# Altium PCB bqCNC.PcbDoc (part 5 of 6) (continued)
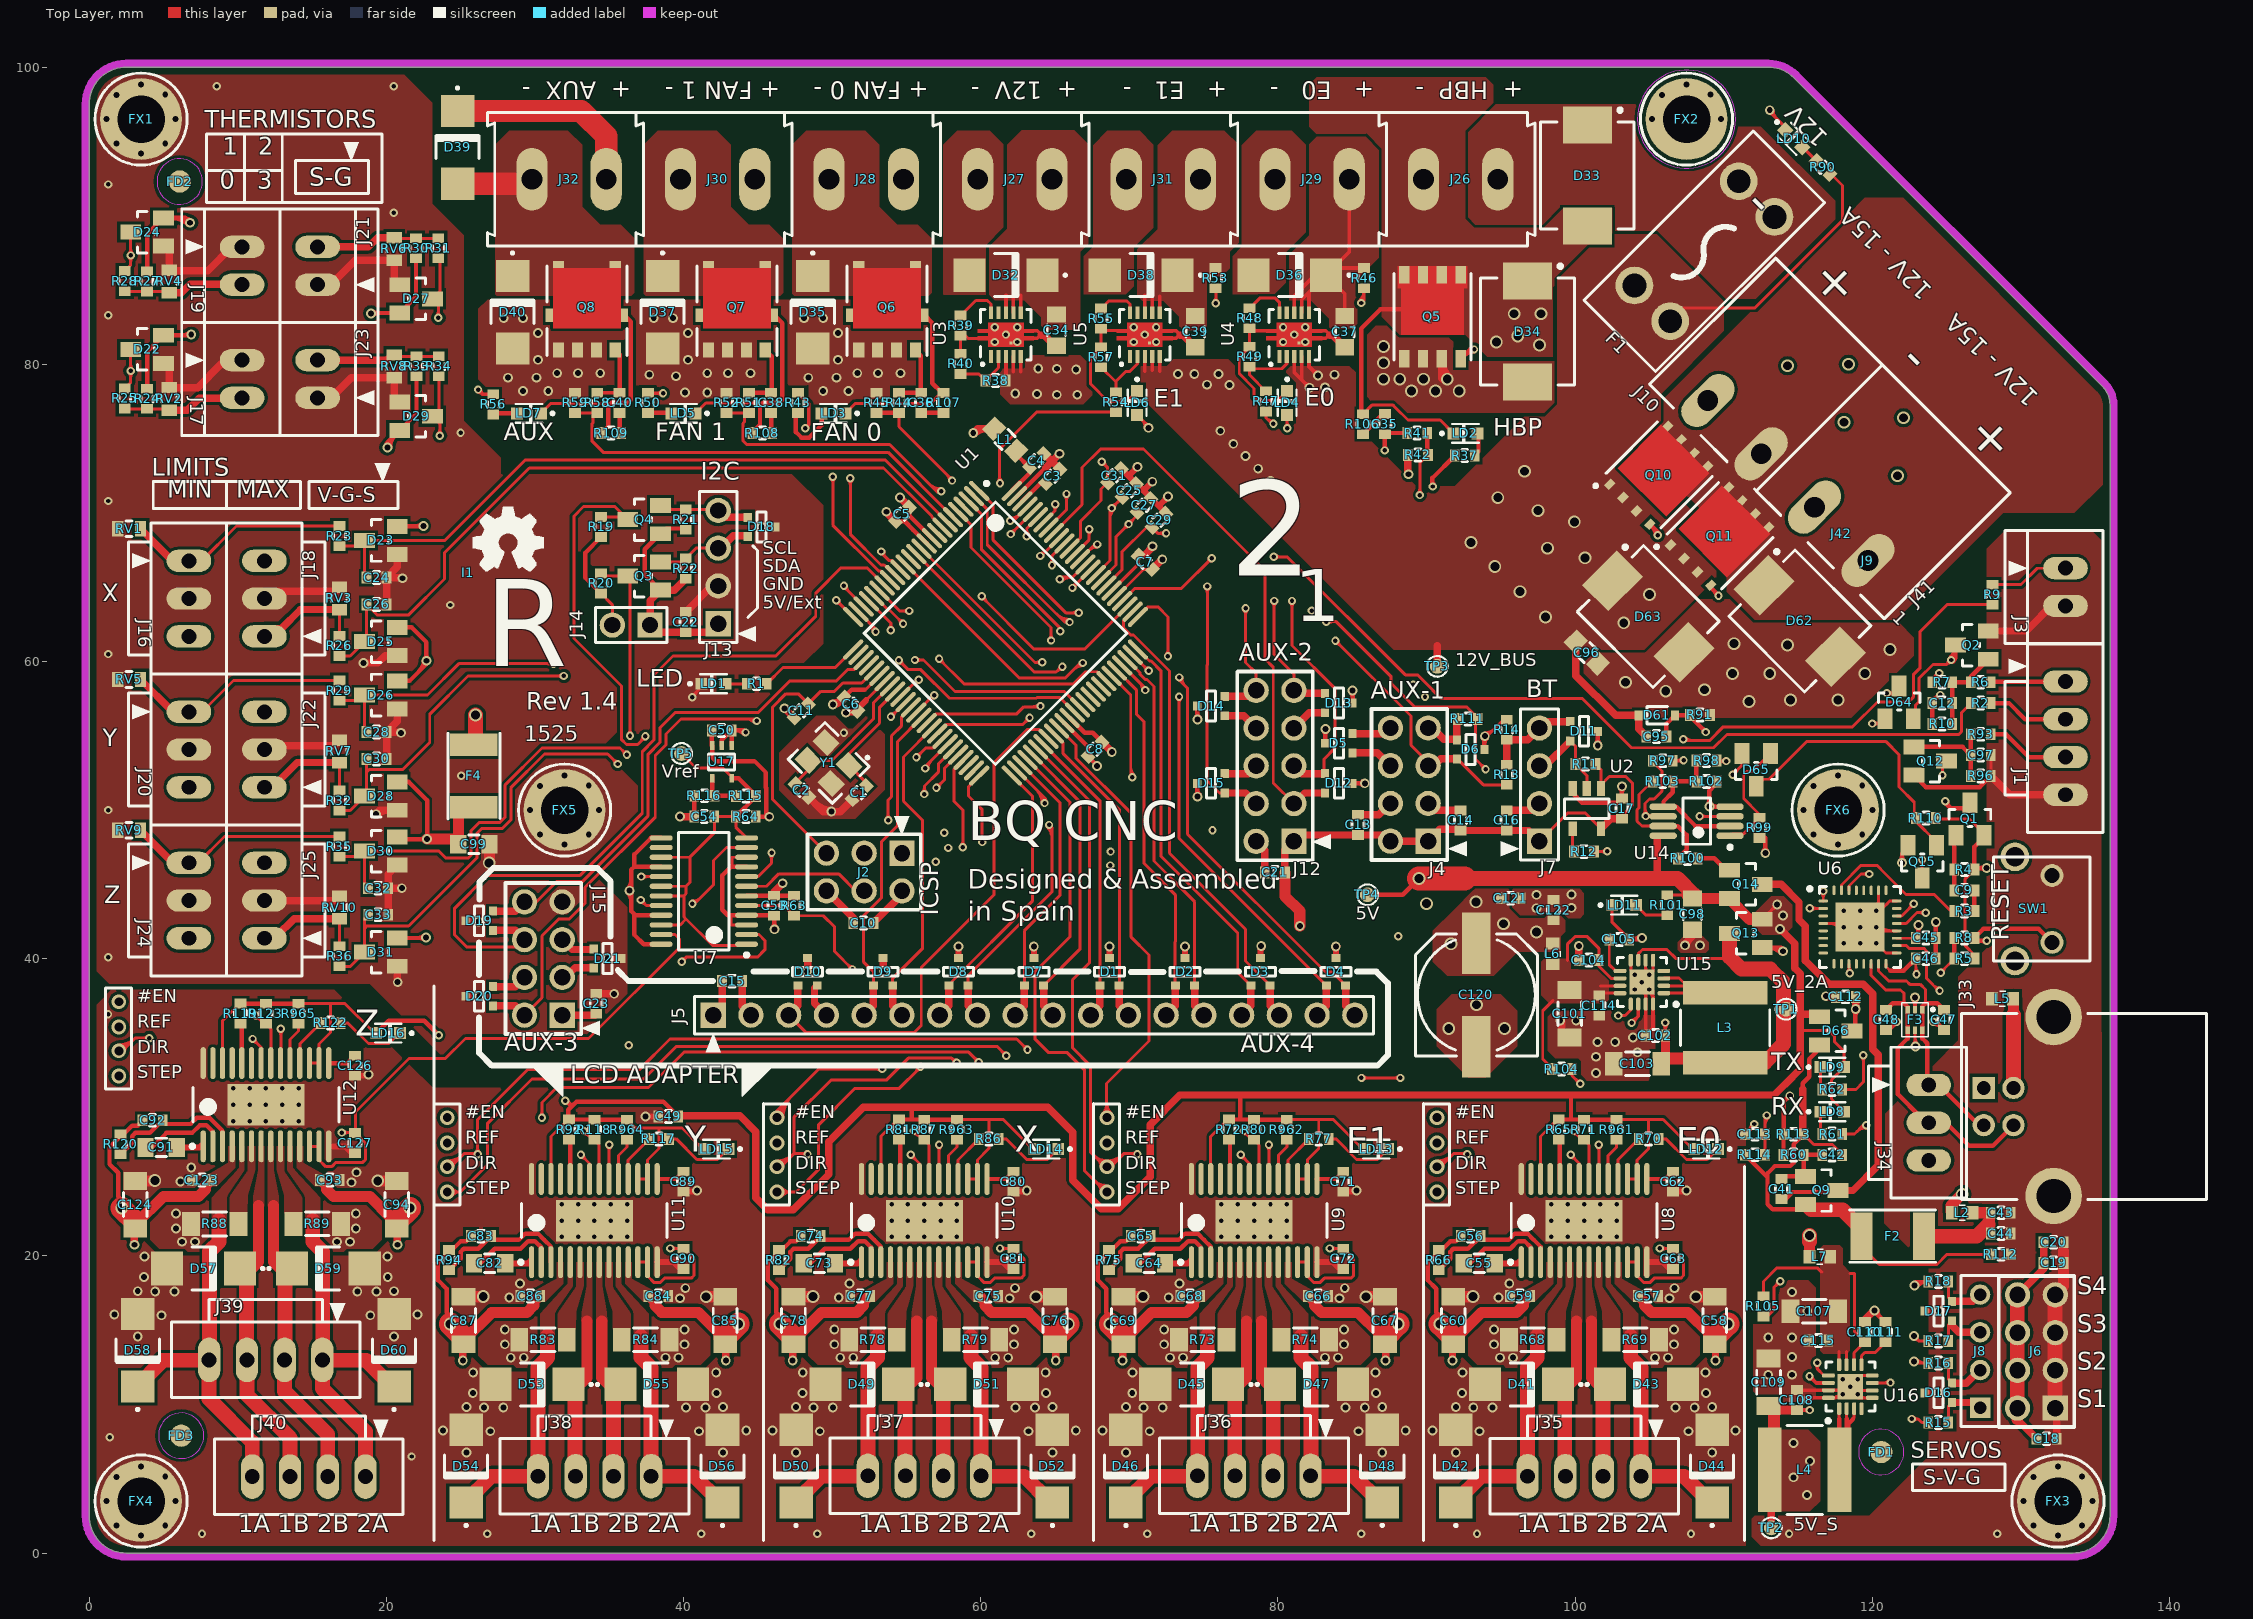
[diagram p0: Top Layer view]
## Polygon pours and split planes (outlines as drawn) (continued)
NetD46_K on Top Layer "Top Layer-No Net 9" (solid, remove dead copper, pour order 182): 76.95,19.575 76.6,19.575 76.6,18.125 74.75,16.1 74.75,14.575 75.75,14.575 75.75,16.1 75.825,16.325 76.95,17.95
NetD48_K on Top Layer "Top Layer-No Net 6" (solid, remove dead copper, pour order 183): 79.85,19.575 80.2,19.575 80.2,18.125 82.05,16.1 82.05,14.575 81.05,14.575 81.05,16.1 80.975,16.325 79.85,17.95
NetD44_K on Top Layer "Top Layer-No Net 6" (solid, remove dead copper, pour order 184): 102.05,19.575 102.4,19.575 102.4,18.125 104.25,16.1 104.25,14.575 103.25,14.575 103.25,16.1 103.175,16.325 102.05,17.95
NetD42_K on Top Layer "Top Layer-NetD42_K" (solid, remove dead copper, pour order 185): 99.15,19.575 98.8,19.575 98.8,18.125 96.95,16.1 96.95,14.575 97.95,14.575 97.95,16.1 98.025,16.325 99.15,17.95
NetR83_2 on Top Layer "Top Layer-No Net 13" (solid, remove dead copper, pour order 186): 31.55,15.075 31.55,16.275 32.775,17.925 32.775,19.575 33.275,19.575 33.275,18 32.95,16.85 32.775,16.275 32.75,15.075
NetR88_2 on Top Layer "Top Layer-No Net 13" (solid, remove dead copper, pour order 187): 9.45,22.875 9.45,24.075 10.675,25.725 10.675,27.375 11.175,27.375 11.175,25.8 10.85,24.65 10.675,24.075 10.65,22.875
NetR84_2 on Top Layer "Top Layer-No Net 4" (solid, remove dead copper, pour order 188): 36.45,15.075 36.45,16.275 35.225,17.925 35.225,19.575 34.725,19.575 34.725,18 35.05,16.85 35.225,16.275 35.25,15.075
NetR89_2 on Top Layer "Top Layer-No Net 4" (solid, remove dead copper, pour order 189): 14.35,22.875 14.35,24.075 13.125,25.725 13.125,27.375 12.625,27.375 12.625,25.8 12.95,24.65 13.125,24.075 13.15,22.875
NetR78_2 on Top Layer "Top Layer-No Net 10" (solid, remove dead copper, pour order 190): 53.75,15.075 53.75,16.275 54.975,17.925 54.975,19.575 55.475,19.575 55.475,18 55.15,16.85 54.975,16.275 54.95,15.075
NetR79_2 on Top Layer "Top Layer-No Net 4" (solid, remove dead copper, pour order 191): 58.65,15.075 58.65,16.275 57.425,17.925 57.425,19.575 56.925,19.575 56.925,18 57.25,16.85 57.425,16.275 57.45,15.075
NetR73_2 on Top Layer "Top Layer-No Net 7" (solid, remove dead copper, pour order 192): 75.95,15.075 75.95,16.275 77.175,17.925 77.175,19.575 77.675,19.575 77.675,18 77.35,16.85 77.175,16.275 77.15,15.075
NetR74_2 on Top Layer "Top Layer-No Net 4" (solid, remove dead copper, pour order 193): 80.85,15.075 80.85,16.275 79.625,17.925 79.625,19.575 79.125,19.575 79.125,18 79.45,16.85 79.625,16.275 79.65,15.075
NetR69_2 on Top Layer "Top Layer-No Net 4" (solid, remove dead copper, pour order 194): 103.05,15.075 103.05,16.275 101.825,17.925 101.825,19.575 101.325,19.575 101.325,18 101.65,16.85 101.825,16.275 101.85,15.075
NetR68_2 on Top Layer "Top Layer-NetR68_2" (solid, remove dead copper, pour order 195): 98.15,15.075 98.15,16.275 99.375,17.925 99.375,19.575 99.875,19.575 99.875,18 99.55,16.85 99.375,16.275 99.35,15.075
NetD53_K on Top Layer "Top Layer-No Net 14" (solid, remove dead copper, pour order 196): 33.132,15.525 33.15,16.2 33.475,17.95 33.475,19.575 33.875,19.575 33.875,15.525
NetD57_K on Top Layer "Top Layer-No Net 14" (solid, remove dead copper, pour order 197): 11.032,23.325 11.05,24 11.375,25.75 11.375,27.375 11.775,27.375 11.775,23.325
NetD55_K on Top Layer "Top Layer-No Net 5" (solid, remove dead copper, pour order 198): 34.868,15.525 34.85,16.2 34.525,17.95 34.525,19.575 34.125,19.575 34.125,15.525
NetD59_K on Top Layer "Top Layer-No Net 5" (solid, remove dead copper, pour order 199): 12.768,23.325 12.75,24 12.425,25.75 12.425,27.375 12.025,27.375 12.025,23.325
NetD49_K on Top Layer "Top Layer-No Net 11" (solid, remove dead copper, pour order 200): 55.332,15.525 55.35,16.2 55.675,17.95 55.675,19.575 56.075,19.575 56.075,15.525
NetD51_K on Top Layer "Top Layer-No Net 5" (solid, remove dead copper, pour order 201): 57.068,15.525 57.05,16.2 56.725,17.95 56.725,19.575 56.325,19.575 56.325,15.525
NetD45_K on Top Layer "Top Layer-No Net 8" (solid, remove dead copper, pour order 202): 77.532,15.525 77.55,16.2 77.875,17.95 77.875,19.575 78.275,19.575 78.275,15.525
NetD47_K on Top Layer "Top Layer-No Net 5" (solid, remove dead copper, pour order 203): 79.268,15.525 79.25,16.2 78.925,17.95 78.925,19.575 78.525,19.575 78.525,15.525
NetD43_K on Top Layer "Top Layer-No Net 5" (solid, remove dead copper, pour order 204): 101.468,15.525 101.45,16.2 101.125,17.95 101.125,19.575 100.725,19.575 100.725,15.525
NetD41_K on Top Layer "Top Layer-NetD41_K" (solid, remove dead copper, pour order 205): 99.732,15.525 99.75,16.2 100.075,17.95 100.075,19.575 100.475,19.575 100.475,15.525
NetD62_K on Top Layer "PWR input" (solid, remove dead copper, pour order 208): 104.2,74.353 105.8,75.953 105.8,77.5 106.1,77.8 119.5,91.2 122.2,91.2 135.5,77.9 135.5,71.9 133.6,70 128.8,70 121.6,62.8 112.1,62.8 110.2,64.7 110.2,68.6
12V_BUS on Top Layer "Top Layer- 12V_BUS_b" (solid, remove dead copper, pour order 209): 91.925,71.8 98.65,65.075 98.65,60.8 87.8,60.8 70.775,77.825 70.775,79.875 72.525,79.875 72.975,80.325 76.675,80.325 78.625,78.375 78.625,76.325 81.2,76.325 81.2,78.8 80.5,79.5 80.875,79.875 84.8,79.875 84.85,79.825 85.225,79.45 85.225,75.875 89.3,71.8
GND on Top Layer "Input TVSs" (solid, remove dead copper, pour order 210): 100.6,59.9 101.4,60.7 104.8,60.7 108.3,64.2 110.4,64.2 112,62.6 121.8,62.6 122.8,61.6 122.8,60.4 118.6,56.2 103.6,56.2 100.6,59.2
GND on Top Layer "Top Layer-GND 3" (solid, remove dead copper, pour order 211): 79.775,84.725 80.525,85.475 80.525,87.525 81.875,88.875 81.875,94.775 80.925,95.725 78.55,95.725 77.575,94.75 77.575,87.9 76.95,87.275 76.95,84.725
GND on Top Layer "Top Layer-GND 3" (solid, remove dead copper, pour order 212): 60.325,84.675 60.325,88.025 61.525,89.225 61.525,94.8 60.6,95.725 58.425,95.725 57.475,94.775 57.475,84.7 57.5,84.675
GND on Top Layer "Top Layer-GND 3" (solid, remove dead copper, pour order 213): 69.775,84.725 70.3,85.25 70.3,87.875 71.625,89.2 71.625,94.775 70.7,95.7 68.525,95.7 67.575,94.75 67.575,87.9 66.95,87.275 66.95,84.725
NetC37_2 on Top Layer "Top Layer-No Net" (solid, remove dead copper, pour order 214): 82.2,84.3 83.45,83.05 83.45,82.39 84.999,82.399 85.325,82.725 85.325,85.7 86.8,87.175 86.8,94.4 85.9,95.3 82.6,95.3 82.1,94.8 82.1,88.7 80.775,87.375 80.775,84.325 80.8,84.3
NetD33_A on Top Layer "Top Layer-No Net" (solid, remove dead copper, pour order 215): 87,94.5 87,83.2 88.2,82 92.6,82 94.1,80.5 98.5,80.5 98.5,85.2 101.3,88 102.5,88 102.5,90.5 99.2,90.5 97.9,89.2 93.2,89.2 92.6,89.8 92.6,95.7 94.5,97.6 94.5,98.8 94,99.3 82.6,99.3 82.1,98.8 82.1,96 82.6,95.5 86,95.5
NetC39_2 on Top Layer "Top Layer-No Net" (solid, remove dead copper, pour order 216): 70.55,87.75 70.55,84.6 70.875,84.275 72.3,84.275 73.375,83.2 73.375,82.575 73.65,82.3 74.925,82.3 75.2,82.575 75.2,85.65 75.475,85.925 76.2,85.925 76.75,86.475 76.75,87.575 77.35,88.175 77.35,94.775 76.4,95.725 72.875,95.725 71.9,94.75 71.9,89.1 70.675,87.875
FANS_RAIL on Top Layer "Top Layer-No Net" (solid, remove dead copper, pour order 217): 60.575,87.9 60.575,84.675 60.95,84.3 62.925,84.3 64.075,83.15 64.075,82.6 64.35,82.325 66.425,82.325 66.7,82.6 66.7,87.575 67.25,88.125 67.25,94.8 66.3,95.75 62.775,95.75 61.8,94.775 61.8,89.125
GND on Top Layer "Top Layer-No Net" (solid, remove dead copper, pour order 220): 86.6,82.6 87.4,82.6 88.2,81.8 91.5,81.8 91.8,81.5 91.8,80.2 98.6,80.2 98.6,77.42 97.917,76.725 87.075,76.725 86,77.8 86,82
NetD35_K on Top Layer "Top Layer-NetC36_2 1" (solid, remove dead copper, pour order 221): 47.45,84.6 56.5,84.6 56.7,84.8 56.7,88.475 56.675,88.475 55.775,89.375 54.4,89.375 53.175,90.6 53.175,94.775 52.225,95.725 48.275,95.725 47.325,94.775 47.325,84.75
NetD37_K on Top Layer "Top Layer-No Net 2" (solid, remove dead copper, pour order 222): 37.45,84.6 46.5,84.6 46.7,84.8 46.7,88.475 46.675,88.475 45.775,89.375 44.4,89.375 43.175,90.6 43.175,94.775 42.225,95.725 38.275,95.725 37.325,94.775 37.325,84.75
NetD39_A on Top Layer "Top Layer-No Net 3" (solid, remove dead copper, pour order 223): 27.325,84.725 27.45,84.6 36.5,84.6 36.7,84.8 36.7,88.475 36.675,88.475 35.775,89.375 34.4,89.375 33.175,90.6 33.175,94.775 32.225,95.725 28.275,95.725 27.325,94.775
NetD33_K on Top Layer "Top Layer-No Net" (solid, remove dead copper, pour order 224): 112.5,96 117.5,91 117.5,89.75 112.15,84.4 110.1,84.4 105.5,89 101.5,89 99.9,90.6 99.2,90.6 97.9,89.3 93.3,89.3 92.7,89.9 92.7,95.6 94.6,97.5 104.4,97.5 105.9,96
12V_BUS on Top Layer "Top Layer-NetC36_2" (solid, remove dead copper, pour order 227): 61.3,78 62,77.3 66.9,77.3 67.5,77.9 67.5,79.8 67,80.3 66.7,80.6 63.4,80.6 63,80.2 63,79.9 63,79.8 62.9,79.7 61.3,79.7
GND on Top Layer "Top Layer-GND" (solid, remove dead copper, pour order 228): 98.575,36.5 98.175,36.1 98.175,33.8 98.675,33.3 100.2,33.3 100.4,33.1 100.4,32.2 100.8,31.8 105.4,31.8 105.4,36.2 104.6,36.2 104.25,36.5
GND on Top Layer "Top Layer-GND" (solid, remove dead copper, pour order 229): 107.3,41.5 106.9,41.1 106.9,40.6 107.1,40.4 108.8,40.4 109,40.6 109,41.1 108.6,41.5
NetC107_2 on Top Layer "Top Layer-12V_BUS" (solid, remove dead copper, pour order 230): 116.5,13.6 116.7,13.4 118.3,13.4 118.5,13.6 118.5,18.9 118,19.4 118,20.5 117.8,20.7 116.7,20.7 116.5,20.5
GND on Top Layer "Top Layer-GND 4" (solid, remove dead copper, pour order 231): 26.2,83.725 26.825,84.35 57.2,84.35 57.85,83.7 57.85,78.975 57.514,78.6 53.875,78.6 53.875,77.275 48.425,77.275 48.425,78.575 43.8,78.575 43.8,77.3 38.2,77.3 38.2,78.575 33.6,78.575 33.6,77.325 27.9,77.3 26.2,79
GND on Top Layer "Top Layer-GND 1" (solid, remove dead copper, pour order 232): 113.7,18.2 113.875,18.375 115.675,18.375 116.2,17.85 116.2,10.5 115.8,10.1 112.8,10.1 112,10.9 112,15.5 112.3,15.8 113.2,15.8 113.7,16.3
5V_S on Top Layer "Top Layer-5V_S" (solid, remove dead copper, pour order 234): 113.7,8.3 115.7,8.3 116.4,7.6 116.5,7.5 116.5,3.6 116.5,3.5 115.8,2.8 113.7,2.8
5V on Top Layer "Top Layer-5V" (solid, remove dead copper, pour order 235): 112.1,43.1 113.2,44.2 114.2,44.2 114.6,43.8 114.6,42.1 114.1,41.6 112.6,41.6 112.1,42.1
GND on Top Layer "Top Layer-GND 2" (solid, remove dead copper, pour order 236): 51.4,55.475 52.288,56.362 52.85,55.8 53.55,55.1 53.55,51.375 51.575,49.4 48.375,49.4 46.45,51.325 46.45,53.85 48.95,56.35 50.225,56.35 51.1,55.475
GND on Top Layer "SCR_GND_Top_1" (solid, remove dead copper, pour order 240): 0.507,99.5 21.2,99.5 23.1,97.6 23.1,90.8 25.2,88.7 25.2,76.2 27.7,73.7 27.7,72.6 47.3,72.6 49.4,70.5 49.4,61.2 42.68,54.5 37.1,54.5 35.937,55.662 34.425,54.15 37.925,50.625 33.5,46.15 36.2,43.45 36.2,31.8 25.4,31.8 18.9,38.3 1.35,38.3 0.5,39.15
GND on Top Layer "SCR_GND_Top_7" (solid, remove dead copper, pour order 241): 127.7,67.6 129,68.9 134.675,68.9 135.425,68.15 135.433,0.914 135.019,0.5 112.5,0.5 111.9,1.1 111.9,2.3 112.1,2.5 119.8,2.5 123.8,6.5 123.8,19.2 120.8,22.2 120.8,29.5 125.8,34.5 125.8,38.8 127.7,40.7
GND on Top Layer "Stepper top GND" (solid, remove dead copper, pour order 246): 23.125,31.3 111.5,31.3 111.5,0.5 0.45,0.5 0.45,36.85 1.5,37.9 16.5,37.9
GND on Signal Layer 1 "HBP return" (solid, remove dead copper, pour order 163): 86.7,82.7 92,82.7 94.4,80.3 109,80.3 119,90.3 121.4,90.3 133.8,77.9 133.8,75.7 123.3,65.2 123.3,60.5 118.9,56.1 105,56.1 89.5,71.6 85.6,75.5 85.6,81.7
NetD33_A on Signal Layer 1 "HBP" (solid, remove dead copper, pour order 165): 87,95.1 87.7,95.8 92.2,95.8 92.4,95.6 92.4,89.7 95.2,86.9 97.9,86.9 98.9,85.9 98.9,81.1 98.3,80.5 94.5,80.5 94.1,80.9 91.6,83.4 87.8,83.4 87,84.2
NetD33_K on Signal Layer 1 "Top Layer-No Net" (solid, remove dead copper, pour order 225): 92.7,95.7 94.5,97.5 103.4,97.5 104.9,96 112.5,96 117.5,91 117.5,89.8 112.1,84.4 110,84.4 107,87.4 95.2,87.4 92.7,89.9
GND on Signal Layer 1 "SCR_GND_Signal" (solid, remove dead copper, pour order 238): 0,100 84.3,100.1 86.2,98.2 86.2,85.3 84.2,83.3 84.2,74.2 102.9,55.5 118.8,55.5 123.7,60.4 123.7,65.1 134,75.4 136.2,73.2 136.2,0 0,0
NetD33_A on Power Layer "HBP" (solid, remove dead copper, pour order 206): 87,95.1 87.7,95.8 92.2,95.8 92.4,95.6 92.4,89.7 95.2,86.9 97.9,86.9 98.9,85.9 98.9,81.1 98.3,80.5 94.5,80.5 94.1,80.9 91.6,83.4 87.8,83.4 87,84.2
5V on Power Layer "MCU Power" (solid, remove dead copper, pour order 207): 74.875,56.6 74.875,69.65 68.45,76.075 56.775,76.075 44.8,64.1 44.825,64.075 44.825,52.65 48.175,49.3 67.575,49.3
12V_BUS on Power Layer "Top Layer-No Net" (solid, remove dead copper, pour order 218): 67.45,86.8 100.1,86.8 101.7,88.4 106,88.4 113.325,81.075 113.325,76.6 105.2,68.475 105.2,67.6 106.7,66.1 106.7,62.3 108.2,60.8 108.2,45.9 100.5,38.2 100.5,35.5 98.6,33.6 96.723,33.6 94.7,31.6 90,31.6 86.2,35.4 86.2,38.2 90.8,42.8 90.8,46.7 90.8,52.7 90.8,62.5 85,68.3 81.5,68.3 73.2,76.6 62.7,76.6 61.55,77.75 61.55,80.9
FANS_RAIL on Power Layer "Power Layer-FANS_RAIL" (solid, remove dead copper, pour order 219): 67.9,94.45 67.9,96.825 66.8,97.925 33.025,97.925 32.025,96.925 32.025,89.45 37.225,84.25 66.525,84.25 67.95,85.675
NetD33_K on Power Layer "Top Layer-No Net" (solid, remove dead copper, pour order 226): 92.7,95.7 94.5,97.5 108.4,97.5 109.9,96 112.5,96 117.5,91 117.5,89.8 112.1,84.4 110,84.4 105.8,88.6 101.5,88.6 100.3,87.4 93.5,87.4 92.7,88.2
5V_S on Power Layer "Top Layer-No Net 1" (solid, remove dead copper, pour order 233): 113.8,8.3 115.8,8.3 118.6,5.5 115.9,2.8 113.8,2.8
GND on Power Layer "SCR_GND_Power" (solid, remove dead copper, pour order 237): 0,100 21.215,100 23,98.3 23,90.9 25.2,88.7 25.2,76.9 26.1,76 26.1,74.7 25.606,38.1 0,38.1
GND on Power Layer "SCR_GND_Pwr_3" (solid, remove dead copper, pour order 242): 113.7,74.9 108.4,69.6 108.4,59.5 111.9,56 118.6,56 136,73.4 136,78.1 121.5,92.6 119.4,92.6 113.7,86.9
GND on Power Layer "SCR_GND_Pwr_4" (solid, remove dead copper, pour order 243): 130.5,66.6 134.9,71 136.6,71 136.6,1.4 134.8,-0.4 112.1,-0.4 112.1,0.5 111.5,1.1 111.5,2.5 116.7,7.7 129,7.7 130.5,9.2
12V_BUS on Power Layer "Stepper PWR BUS" (solid, remove dead copper, pour order 244): 17.7,37.3 21.5,37.3 25.2,33.6 25.3,33.7 84.1,33.7 87.75,37.35 92.2,32.9 92.2,31.8 88.9,28.5 49.4,28.5 47.9,30 25,30
GND on Power Layer "SCR_GND_Pwr_2" (solid, remove dead copper, pour order 245): 0,37.3 20.4,37.3 21,36.7 25.9,31.8 109.3,31.7 110.9,30.1 110.9,1.1 109.8,0 109.7,0.1 0,0.1
GND on GND Layer "SCR_GND_Bottom" (solid, remove dead copper, pour order 239): 0,100 116,100 137.6,78.4 136.2,77 136.2,0 0,0

## Keep-outs
Top Layer:
  circle w0.01: c107.5,96.5 r3.3
Power Layer:
  lines w0.05: 105.204,95.801 ccw(c107.5,96.5) 109.822,95.894
Signal Layer 1:
  lines w0.05: 105.214,95.769 ccw(c107.5,96.5) 109.822,95.894
Keep-Out Layer:
  lines w0.5: -0.25,2.5 ccw(c2.5,2.5) 2.5,-0.25 133.5,-0.25 ccw(c133.5,2.5) 136.25,2.5 136.25,77.293 ccw(c134.293,77.293) 135.677,78.677 114.884,99.47 ccw(c113,97.586) 113,100.25 2.5,100.25 ccw(c2.5,97.5) -0.25,97.5 -0.25,2.5

## Other copper
Top Layer:
  pour cut-out: 92.8,13.3 93.425,12.675 95.15,12.675 95.35,12.475 96.2,12.475 96.2,12.225 93.375,12.225 92.3,13.3
  pour cut-out: 108.4,13.3 107.775,12.675 106.05,12.675 105.85,12.475 105,12.475 105,12.225 107.825,12.225 108.9,13.3
  pour cut-out: 86.2,13.3 85.575,12.675 83.85,12.675 83.65,12.475 82.8,12.475 82.8,12.225 85.625,12.225 86.7,13.3
  pour cut-out: 70.6,13.3 71.225,12.675 72.95,12.675 73.15,12.475 74,12.475 74,12.225 71.175,12.225 70.1,13.3
  pour cut-out: 64,13.3 63.375,12.675 61.65,12.675 61.45,12.475 60.6,12.475 60.6,12.225 63.425,12.225 64.5,13.3
  pour cut-out: 48.4,13.3 49.025,12.675 50.75,12.675 50.95,12.475 51.8,12.475 51.8,12.225 48.975,12.225 47.9,13.3
  pour cut-out: 41.8,13.3 41.175,12.675 39.45,12.675 39.25,12.475 38.4,12.475 38.4,12.225 41.225,12.225 42.3,13.3
  pour cut-out: 26.2,13.3 26.825,12.675 28.55,12.675 28.75,12.475 29.6,12.475 29.6,12.225 26.775,12.225 25.7,13.3
  pour cut-out: 19.7,21.1 19.075,20.475 17.35,20.475 17.15,20.275 16.3,20.275 16.3,20.025 19.125,20.025 20.2,21.1
  pour cut-out: 4.1,21.1 4.725,20.475 6.45,20.475 6.65,20.275 7.5,20.275 7.5,20.025 4.675,20.025 3.6,21.1
Power Layer:
  pour cut-out: 98.025,19.875 96.7,18.55 96.7,17.55 95.35,16.2 93.65,16.2 91.85,14.4 91.85,13.35 92.075,13.35 92.075,14.325 93.75,16 95.45,16 96.9,17.45 96.9,18.45 98.175,19.725
  pour cut-out: 100.5,9.35 100.5,17.6 100.7,17.6 100.7,9.35
  pour cut-out: 103.175,19.875 104.5,18.55 104.5,17.55 105.85,16.2 107.55,16.2 109.35,14.4 109.35,13.35 109.125,13.35 109.125,14.325 107.45,16 105.75,16 104.3,17.45 104.3,18.45 103.025,19.725
  pour cut-out: 80.975,19.875 82.3,18.55 82.3,17.55 83.65,16.2 85.35,16.2 87.15,14.4 87.15,13.35 86.925,13.35 86.925,14.325 85.25,16 83.55,16 82.1,17.45 82.1,18.45 80.825,19.725
  pour cut-out: 78.3,9.35 78.3,17.6 78.5,17.6 78.5,9.35
  pour cut-out: 75.825,19.875 74.5,18.55 74.5,17.55 73.15,16.2 71.45,16.2 69.65,14.4 69.65,13.35 69.875,13.35 69.875,14.325 71.55,16 73.25,16 74.7,17.45 74.7,18.45 75.975,19.725
  pour cut-out: 58.775,19.875 60.1,18.55 60.1,17.55 61.45,16.2 63.15,16.2 64.95,14.4 64.95,13.35 64.725,13.35 64.725,14.325 63.05,16 61.35,16 59.9,17.45 59.9,18.45 58.625,19.725
  pour cut-out: 56.1,9.35 56.1,17.6 56.3,17.6 56.3,9.35
  pour cut-out: 53.625,19.875 52.3,18.55 52.3,17.55 50.95,16.2 49.25,16.2 47.45,14.4 47.45,13.35 47.675,13.35 47.675,14.325 49.35,16 51.05,16 52.5,17.45 52.5,18.45 53.775,19.725
  pour cut-out: 36.575,19.875 37.9,18.55 37.9,17.55 39.25,16.2 40.95,16.2 42.75,14.4 42.75,13.35 42.525,13.35 42.525,14.325 40.85,16 39.15,16 37.7,17.45 37.7,18.45 36.425,19.725
  pour cut-out: 33.9,9.35 33.9,17.6 34.1,17.6 34.1,9.35
  pour cut-out: 31.425,19.875 30.1,18.55 30.1,17.55 28.75,16.2 27.05,16.2 25.25,14.4 25.25,13.35 25.475,13.35 25.475,14.325 27.15,16 28.85,16 30.3,17.45 30.3,18.45 31.575,19.725
  pour cut-out: 14.475,27.675 15.8,26.35 15.8,25.35 17.15,24 18.85,24 20.65,22.2 20.65,21.15 20.425,21.15 20.425,22.125 18.75,23.8 17.05,23.8 15.6,25.25 15.6,26.25 14.325,27.525
  pour cut-out: 11.8,17.15 11.8,25.4 12,25.4 12,17.15
  pour cut-out: 9.325,27.675 8,26.35 8,25.35 6.65,24 4.95,24 3.15,22.2 3.15,21.15 3.375,21.15 3.375,22.125 5.05,23.8 6.75,23.8 8.2,25.25 8.2,26.25 9.475,27.525
Signal Layer 1:
  pour cut-out: 53.4,59.8 53.4,59.1 53.5,59 53.5,59.8
  pour cut-out: 50.3,57.1 51.4,57.1 51.4,54.8 50.3,54.8
  pour cut-out: 96.45,44.7 105.3,44.7 105.3,41.8 106.9,40.2 106.9,32.6 104.9,30.6 100.275,30.6 96.45,34.425
  pour cut-out: 0.5,37.7 3.6,37.7 4.5,36.8 4.2,36.5 3.3,37.4 1,37.4 0.5,36.9
  pour cut-out: 24,36.275 23.7,36.075 25.7,34.075 38.6,34.075 38.6,34.375 25.9,34.375
  pour cut-out: 112.9,9.3 111,7.4 111,1.1 110.4,0.5 111.9,0.5 111.3,1.1 111.3,7.3 113.225,9.225
  pour cut-out: 111.4,10.8 113,9.2 122.8,9.2 122.8,12.2 122.4,12.6 121.075,12.6 111.4,22.275
  pour cut-out: 53.6,67 55.4,64.6 55.4,64.3 55.2,64.3 53.8,65.7
  pour cut-out: 65,76 65,74.9 65.7,74.9 65.7,76
  pour cut-out: 84,71 84,63.8 84.7,63.8 84.7,71
  pour cut-out: 65.2,34.9 81.5,34.9 81.5,34.4 65.2,34.4
  pour cut-out: 98.025,19.875 96.7,18.55 96.7,17.55 95.35,16.2 93.65,16.2 91.85,14.4 91.85,13.35 92.075,13.35 92.075,14.325 93.75,16 95.45,16 96.9,17.45 96.9,18.45 98.175,19.725
  pour cut-out: 103.175,19.875 104.5,18.55 104.5,17.55 105.85,16.2 107.55,16.2 109.35,14.4 109.35,13.35 109.125,13.35 109.125,14.325 107.45,16 105.75,16 104.3,17.45 104.3,18.45 103.025,19.725
  pour cut-out: 100.5,9.35 100.5,17.6 100.7,17.6 100.7,9.35
  pour cut-out: 80.975,19.875 82.3,18.55 82.3,17.55 83.65,16.2 85.35,16.2 87.15,14.4 87.15,13.35 86.925,13.35 86.925,14.325 85.25,16 83.55,16 82.1,17.45 82.1,18.45 80.825,19.725
  pour cut-out: 78.3,9.35 78.3,17.6 78.5,17.6 78.5,9.35
  pour cut-out: 75.825,19.875 74.5,18.55 74.5,17.55 73.15,16.2 71.45,16.2 69.65,14.4 69.65,13.35 69.875,13.35 69.875,14.325 71.55,16 73.25,16 74.7,17.45 74.7,18.45 75.975,19.725
  pour cut-out: 58.775,19.875 60.1,18.55 60.1,17.55 61.45,16.2 63.15,16.2 64.95,14.4 64.95,13.35 64.725,13.35 64.725,14.325 63.05,16 61.35,16 59.9,17.45 59.9,18.45 58.625,19.725
  pour cut-out: 56.1,9.35 56.1,17.6 56.3,17.6 56.3,9.35
  pour cut-out: 53.625,19.875 52.3,18.55 52.3,17.55 50.95,16.2 49.25,16.2 47.45,14.4 47.45,13.35 47.675,13.35 47.675,14.325 49.35,16 51.05,16 52.5,17.45 52.5,18.45 53.775,19.725
  pour cut-out: 36.575,19.875 37.9,18.55 37.9,17.55 39.25,16.2 40.95,16.2 42.75,14.4 42.75,13.35 42.525,13.35 42.525,14.325 40.85,16 39.15,16 37.7,17.45 37.7,18.45 36.425,19.725
  pour cut-out: 33.9,9.35 33.9,17.6 34.1,17.6 34.1,9.35
  pour cut-out: 31.425,19.875 30.1,18.55 30.1,17.55 28.75,16.2 27.05,16.2 25.25,14.4 25.25,13.35 25.475,13.35 25.475,14.325 27.15,16 28.85,16 30.3,17.45 30.3,18.45 31.575,19.725
  pour cut-out: 14.475,27.675 15.8,26.35 15.8,25.35 17.15,24 18.85,24 20.65,22.2 20.65,21.15 20.425,21.15 20.425,22.125 18.75,23.8 17.05,23.8 15.6,25.25 15.6,26.25 14.325,27.525
  pour cut-out: 11.8,17.15 11.8,25.4 12,25.4 12,17.15
  pour cut-out: 9.325,27.675 8,26.35 8,25.35 6.65,24 4.95,24 3.15,22.2 3.15,21.15 3.375,21.15 3.375,22.125 5.05,23.8 6.75,23.8 8.2,25.25 8.2,26.25 9.475,27.525

## Silkscreen, mask and mechanical layers (free items; w line width, h text height)
Top Overlay:
  circle w0.2: c107.5,96.5 r3.1
  circle w0.2: c3.5,96.5 r3.1
  circle w0.2: c32,50 r3.1
  circle w0.2: c3.5,3.5 r3.1
  circle w0.2: c132.5,3.5 r3.1
  circle w0.2: c117.7,50 r3.1
  region: 96.27,47.4 95,46.892 95,47.908
  region: 91.43,47.4 92.7,47.908 92.7,46.892
  region: 82.28,47.875 83.55,48.383 83.55,47.367
  region: 43.961,30.703 45.958,32.7 43.928,32.7 43.928,30.736
  region: 31.867,30.703 29.87,32.7 31.9,32.7 31.9,30.736
  region: 33.105,35.325 34.375,35.833 34.375,34.817
  region: 54.675,48.305 54.167,49.575 55.183,49.575
  region: 43.58,61.85 44.85,62.358 44.85,61.342
  region: 42,34.97 42.508,33.7 41.492,33.7
  region: 19.746,72.065 19.238,73.335 20.254,73.335
  region: 17.646,93.665 17.138,94.935 18.154,94.935
  lines w0.2: 8.05,93.05 13,93.05 ; 9.243,70.343 9.243,72.043 ; 10.45,90.9 10.45,95.5 ; 13,90.9 13,95.5 ; 23.2,0.85 23.2,30.225 ; 23.2,30.15 23.2,38.175 ; 44.35,62.975 44.975,63.6 44.975,67.475 44.662,67.788 ; 45.4,0.85 45.4,30.25 ; 67.6,0.85 67.6,30.25 ; 89.8,0.85 89.8,30.25 ; 111.4,0.85 111.4,26 ; 23.2,30.225 23.2,23.425 24.95,23.425 24.95,30.225 23.2,30.225 ; 1.1,31.225 1.1,38.025 2.85,38.025 2.85,31.225 1.1,31.225 ; 4.318,70.3 14.243,70.3 14.243,72.1 4.318,72.1 4.318,70.3 ; 7.9,90.9 7.9,95.5 19.7,95.5 19.7,90.9 7.9,90.9 ; 13.9,91.5 13.9,93.7 18.8,93.7 18.8,91.5 13.9,91.5 ; 14.8,70.3 20.8,70.3 20.8,72.1 14.8,72.1 14.8,70.3 ; 45.4,23.425 45.4,30.225 47.15,30.225 47.15,23.425 45.4,23.425 ; 67.601,23.417 67.601,30.217 69.351,30.217 69.351,23.417 67.601,23.417 ; 89.8,23.425 91.55,23.425 91.55,30.225 89.8,30.225 89.8,23.425 ; 122.7,4.2 128.925,4.2 128.925,6 122.7,6 122.7,4.2
  lines w0.4: 26.25,36.05 26.25,33.65 27.1,32.8 85.6,32.8 86.7,32.8 87.4,33.5 87.4,38.2 87.4,38.35 86.625,39.125 85.325,39.125 ; 26.25,38.9 26.25,41.1 ; 26.275,43.975 26.275,45.175 26.575,45.475 27.2,46.1 31,46.1 34.2,46.1 35.1,45.2 35.1,41.5 ; 35.575,39.225 36.3,38.5 41.975,38.5 ; 44.7,39.125 46.975,39.125 ; 49.75,39.125 52.025,39.125 ; 54.8,39.125 57.1,39.125 ; 59.95,39.15 62.15,39.15 ; 65.05,39.15 67.25,39.15 ; 70.1,39.1 72.3,39.1 ; 75.175,39.125 77.375,39.125 ; 80.25,39.175 82.45,39.175
  text "+  AUX  -" at 36.5,99.4 h2 r180
  text "+ FAN 1 -" at 46.5,99.4 h2 r180
  text "+ FAN 0 -" at 56.5,99.4 h2 r180
  text "+  12V  -" at 66.5,99.4 h2 r180
  text "+   E1   -" at 76.6,99.4 h2 r180
  text "+   E0   -" at 86.5,99.4 h2 r180
  text "+  HBP  -" at 96.5,99.4 h2 r180
  text "12V" at 117.4,95.6 h2 r135
  text "THERMISTORS" at 7.8,95.5 h2
  text "1" at 9,93.7 h2
  text "2" at 11.4,93.7 h2
  text "S-G" at 14.8,92 h1.2
  text "0" at 8.8,91.4 h2
  text "3" at 11.3,91.4 h2
  text "12V - 15A" at 124.4,85.325 h2 r135
  text "12V - 15A" at 131.575,78.15 h2 r135
  text "E0" at 81.8,76.8 h2
  text "E1" at 71.65,76.75 h2
  text "+     -     +     -" at 130.25,75.3 h4.2 r135
  text "HBP" at 94.5,74.8 h2
  text "AUX" at 27.9,74.5 h2
  text "FAN 1" at 38.1,74.5 h2
  text "FAN 0" at 48.55,74.45 h2
  text "LIMITS" at 4.225,72.1 h2
  text "I2C" at 41.175,71.825 h2
  text "V-G-S" at 15.4,70.7 h1
  text "MIN" at 5.25,70.6 h2
  text "MAX" at 9.9,70.6 h2
  text "SCL" at 45.351,66.925 h1.5
  text "SDA" at 45.351,65.703 h1.5
  text "X" at 1.993,65.643 h2 r180
  text "GND" at 45.35,64.481 h1.5
  text "2" at 76.75,63.65 h11
  text "5V/Ext" at 45.35,63.258 h1.5
  text "1" at 81.125,61.575 h6
  text "AUX-2" at 77.35,59.65 h2
  text "12V_BUS" at 91.95,59.375 h1.5
  text "LED" at 36.825,57.9 h2
  text "R" at 26.625,57.75 h10
  text "BT" at 96.7,57.175 h2
  text "AUX-1" at 86.25,57.075 h2
  text "Rev 1.4" at 29.405,56.35 h2
  text "1525" at 29.3,54.25 h1.8
  text "Y" at 0.918,53.893 h2
  text "Vref" at 38.525,51.875 h1.5
  text "BQ CNC" at 59.125,47.1 h4.5
  text "Designed & Assembled" at 59.125,44.275 h2.25
  text "Z" at 1.018,43.343 h2
  text "ICSP" at 57.55,42.875 h2 r90
  text "5V" at 85.225,42.325 h1.5
  text "in Spain" at 59.127,42.125 h2.25
  text "RESET" at 129.575,41.2 h2 r90
  text "5V_2A" at 113.2,37.7 h1.5
  text "#EN" at 3.225,36.75 h1.5
  text "REF" at 3.225,35.047 h1.5
  text "Z" at 17.9,34.225 h3
  text "AUX-3" at 27.95,33.4 h2
  text "DIR" at 3.225,33.343 h1.5
  text "AUX-4" at 77.5,33.3 h2
  text "TX" at 113.2,32.1 h2
  text "STEP" at 3.226,31.65 h1.5
  text "LCD ADAPTER" at 32.375,31.225 h2
  text "RX" at 113.2,29.1 h2
  text "#EN" at 25.325,28.95 h1.5
  text "#EN" at 47.525,28.95 h1.5
  text "#EN" at 69.725,28.95 h1.5
  text "#EN" at 91.925,28.95 h1.5
  text "REF" at 25.325,27.247 h1.5
  text "REF" at 47.525,27.247 h1.5
  text "REF" at 69.725,27.247 h1.5
  text "REF" at 91.925,27.247 h1.5
  text "Y" at 40.1,26.425 h3
  text "X" at 62.3,26.425 h3
  text "E1" at 84.6,26.325 h3
  text "E0" at 106.8,26.325 h3
  text "DIR" at 25.325,25.543 h1.5
  text "DIR" at 47.525,25.543 h1.5
  text "DIR" at 69.725,25.543 h1.5
  text "DIR" at 91.925,25.543 h1.5
  text "STEP" at 25.326,23.85 h1.5
  text "STEP" at 47.526,23.85 h1.5
  text "STEP" at 69.726,23.85 h1.5
  text "STEP" at 91.926,23.85 h1.5
  text "S4" at 133.8,17 h2
  text "S3" at 133.8,14.467 h2
  text "S2" at 133.8,11.933 h2
  text "S1" at 133.8,9.4 h2
  text "SERVOS" at 122.6,6 h1.9
  text "S-V-G" at 123.425,4.6 h1
  text "5V_S" at 114.7,1.2 h1.5
  text "1A 1B 2B 2A" at 73.925,1.025 h2
  text "1A 1B 2B 2A" at 10.025,1 h2
  text "1A 1B 2B 2A" at 29.575,1 h2
  text "1A 1B 2B 2A" at 51.8,1 h2
  text "1A 1B 2B 2A" at 96.1,1 h2
Bottom Overlay:
  circle w0.2: c107.5,96.5 r3.1
  circle w0.2: c3.5,96.5 r3.1
  circle w0.2: c32,50 r3.1
  circle w0.2: c3.5,3.5 r3.1
  circle w0.2: c132.5,3.5 r3.1
  circle w0.2: c117.7,50 r3.1
  region: 58.034,54.191 57.502,54.719 57.468,54.714 56.856,54.295 56.806,54.294 56.303,54.503 56.283,54.534 56.148,55.261 56.119,55.291 55.387,55.292 55.349,55.261 55.213,54.528 55.191,54.5 54.691,54.294 54.649,54.292 54.029,54.714 53.988,54.716 53.469,54.198 53.464,54.15 53.878,53.544 53.881,53.534 53.877,53.498 53.662,52.996 53.633,52.965 52.917,52.829 52.886,52.792 52.887,52.06 52.915,52.031 53.616,51.899 53.644,51.867 53.861,51.322 53.857,51.284 53.461,50.703 53.464,50.668 53.994,50.142 54.022,50.142 54.589,50.53 54.64,50.53 54.896,50.396 54.926,50.414 55.433,51.639 55.426,51.678 55.318,51.752 55.178,51.865 55.07,51.995 55.01,52.115 54.97,52.235 54.949,52.426 54.96,52.555 54.99,52.695 55.05,52.825 55.15,52.963 55.26,53.065 55.349,53.115 55.46,53.175 55.59,53.215 55.749,53.226 55.88,53.215 56.04,53.175 56.21,53.085 56.31,52.996 56.38,52.925 56.47,52.775 56.52,52.645 56.54,52.545 56.549,52.426 56.55,52.345 56.51,52.185 56.44,52.025 56.37,51.925 56.285,51.825 56.179,51.752 56.079,51.684 56.062,51.649 56.571,50.414 56.586,50.399 56.612,50.399 56.859,50.531 56.9,50.533 57.483,50.14 57.517,50.15 58.034,50.668 58.037,50.702 57.641,51.283 57.638,51.329 57.864,51.885 57.894,51.903 58.594,52.037 58.61,52.061 58.611,52.792 58.588,52.827 57.872,52.961 57.84,52.987 57.62,53.498 57.619,53.543 58.037,54.157
  region: 114.195,37.303 116.9,34.599 116.9,34.412 114.35,34.412 113.925,34.837 113.925,37.162
  region: 89.575,37.3 86.87,34.595 86.87,34.409 89.42,34.409 89.845,34.834 89.845,37.159
  lines w0.4: 1,18 3,16 17,16 19,14 19,9.5 21,7.5 119.175,7.5 121,9.325 121,32.5 119,34.5 109.5,34.5 28.425,34.5 24.925,38 3,38 1,36 1,18 ; 114,30 114,30
  text "BQ CNC" at 20.8,93.525 h4
  text "2" at 105.3,64.225 h18
  text "1" at 97.325,61.275 h9
  text "w" at 42.575,49.875 h6
  text "r" at 51.275,49.775 h6
  text "bq.com" at 77.125,43.575 h3.75
  text "Designed & Assembled" at 77.125,41.35 h2.25
  text "in Spain" at 77.125,39.45 h2.25
  text "X" at 23.4,38.875 h12
  text "THERMAL PAD AREA" at 113.675,35.025 h3